# KiCad board 10087.kicad_pcb
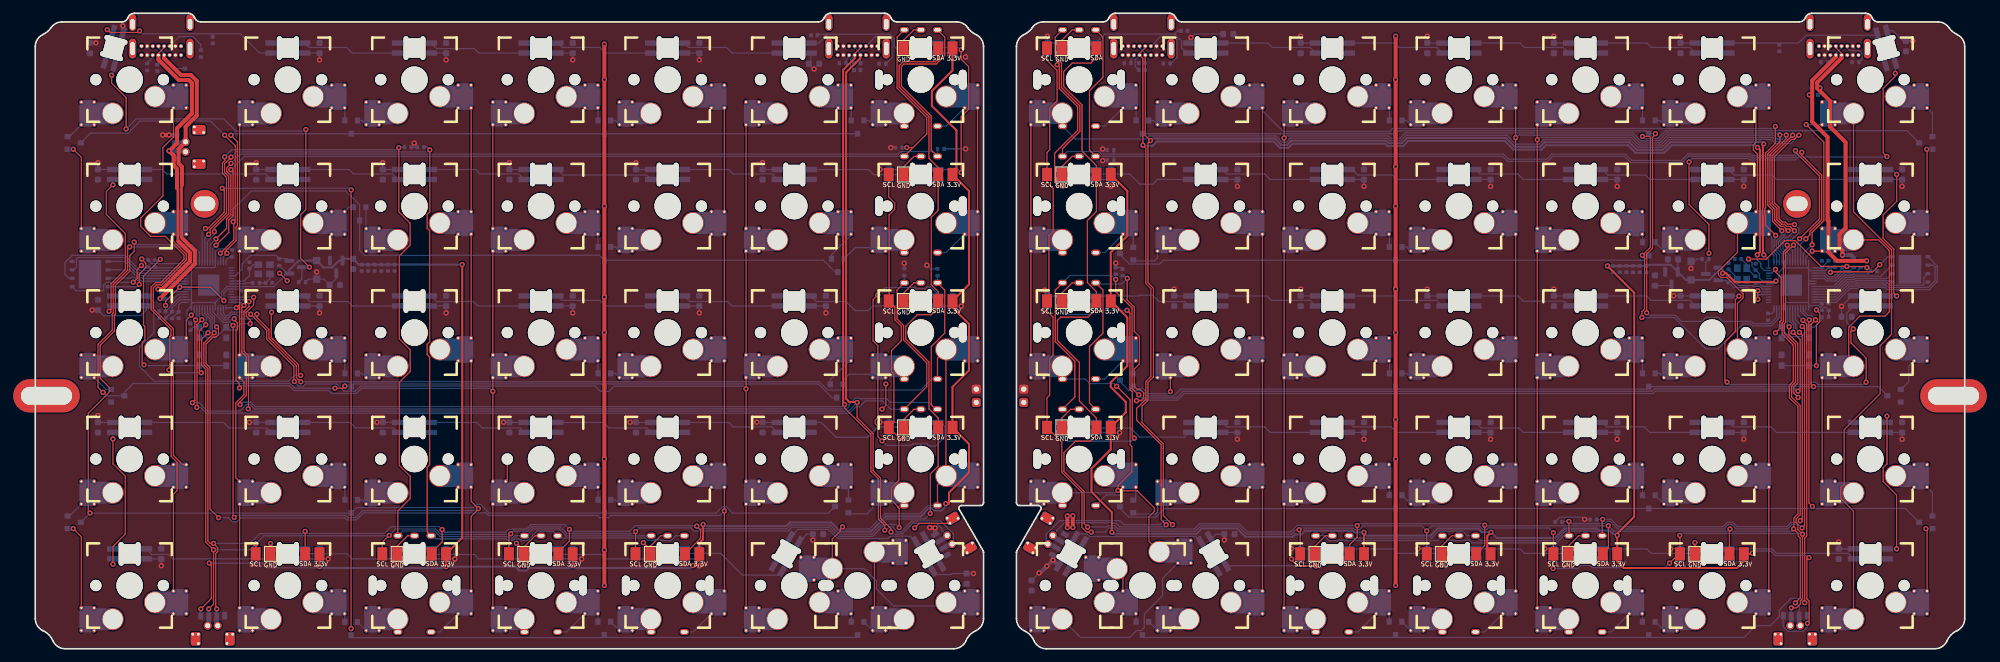
[diagram p0: board, top side]
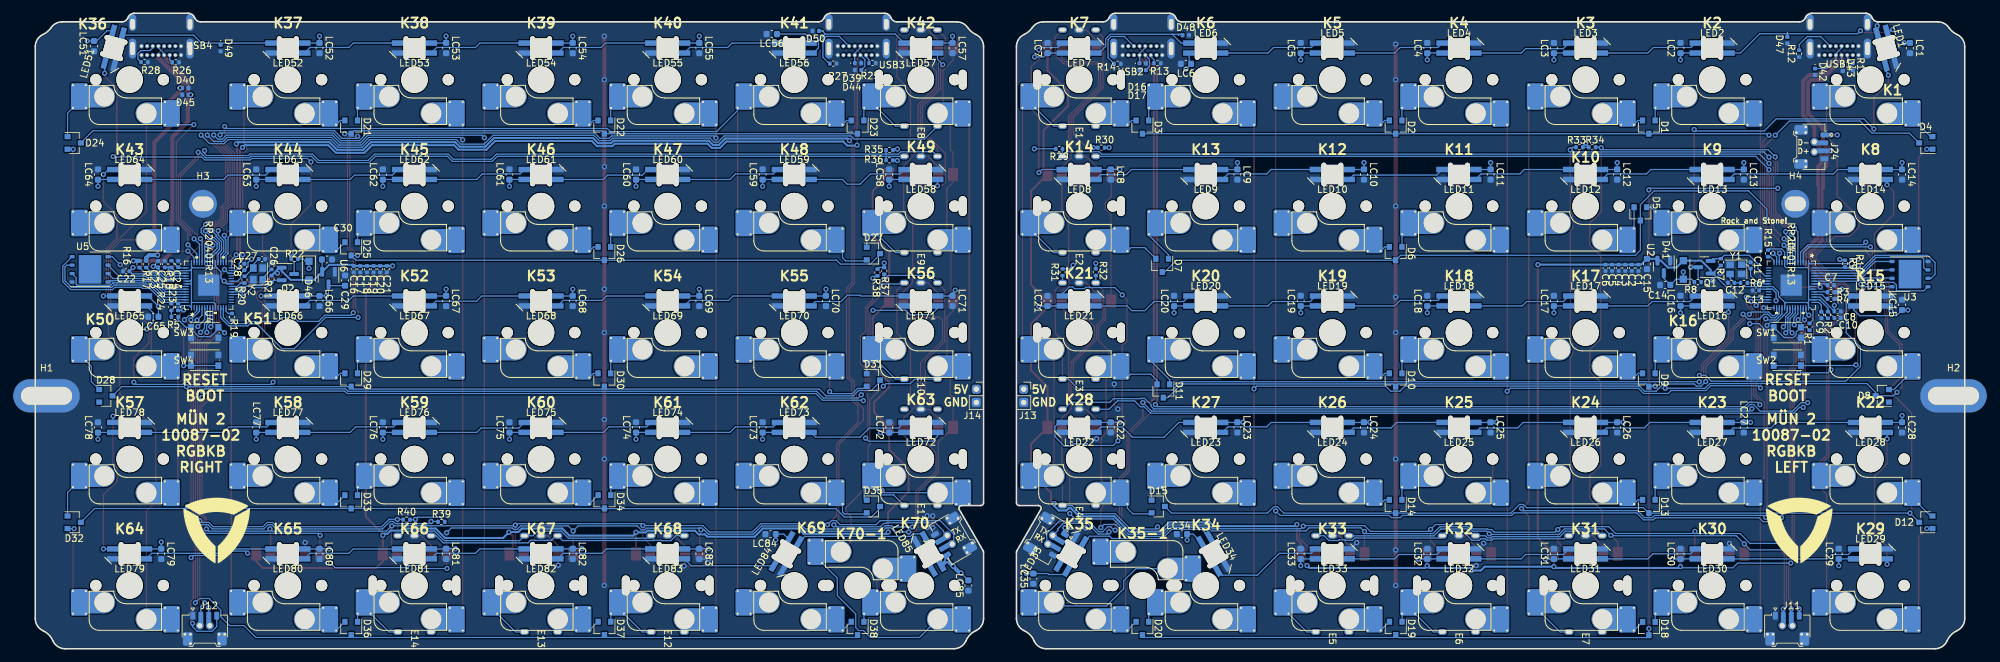
[diagram p1: board, bottom side, seen from below]

Outline 290.31 x 95.72 mm; copper layers: Top, Bottom. Coordinates in mm from the lower left corner of the outline.
Outline path: 0,90.71 0,4.54 arc(0.31,3.46) 1.16,2.72 arc(2.04,2.1) 2.65,1.2 arc(3.39,0.33) 4.48,0 138.19,0 arc(139.29,0.33) 140.03,1.2 arc(140.63,2.1) 141.52,2.72 arc(142.36,3.46) 142.68,4.54 142.68,14.54 arc(142.66,14.64) 142.62,14.74 139.02,20.97 arc(139.02,21.37) 139.37,21.57 142.28,21.57 arc(142.56,21.69) 142.68,21.97 142.68,90.71 arc(142.36,91.79) 141.52,92.53 arc(140.84,92.96) 140.3,93.55 arc(139.58,94.19) 138.65,94.42 129.66,94.42 arc(129.09,94.6) 128.72,95.07 arc(128.36,95.55) 127.79,95.72 119.66,95.72 arc(119.09,95.55) 118.72,95.07 arc(118.36,94.6) 117.79,94.42 24.89,94.42 arc(24.32,94.6) 23.95,95.07 arc(23.58,95.55) 23.01,95.72 14.89,95.72 arc(14.32,95.55) 13.95,95.07 arc(13.58,94.6) 13.01,94.42 4.03,94.42 arc(3.09,94.19) 2.38,93.55 arc(1.84,92.96) 1.16,92.53 arc(0.31,91.79) 0,90.71 ; 147.64,90.71 147.64,21.97 arc(147.75,21.69) 148.04,21.57 150.94,21.57 arc(151.29,21.38) 151.29,20.97 147.69,14.74 arc(147.65,14.64) 147.64,14.54 147.64,4.54 arc(147.95,3.46) 148.8,2.72 arc(149.68,2.1) 150.29,1.2 arc(151.02,0.33) 152.12,0 285.83,0 arc(286.93,0.33) 287.66,1.2 arc(288.27,2.1) 289.15,2.72 arc(290,3.46) 290.31,4.54 290.31,90.71 arc(290,91.79) 289.15,92.53 arc(288.48,92.96) 287.94,93.55 arc(287.22,94.19) 286.29,94.42 277.3,94.42 arc(276.73,94.6) 276.36,95.07 arc(276,95.55) 275.43,95.72 267.3,95.72 arc(266.73,95.55) 266.36,95.07 arc(266,94.6) 265.43,94.42 172.52,94.42 arc(171.95,94.6) 171.59,95.07 arc(171.22,95.55) 170.65,95.72 162.52,95.72 arc(161.95,95.55) 161.59,95.07 arc(161.22,94.6) 160.65,94.42 151.66,94.42 arc(150.73,94.19) 150.01,93.55 arc(149.47,92.96) 148.8,92.53 arc(147.95,91.79) 147.64,90.71
Stack: Top 0.035mm / dielectric 1.51mm FR4 er 4.5 / Bottom 0.035mm

## Placement (name value [footprint] x y rotation side)
C1  100nF  [C_0402_1005Metric]  49.09 57.38 270 bottom
C2  100nF  [C_0402_1005Metric]  50.08 57.38 270 bottom
C3  100nF  [C_0402_1005Metric]  51.08 57.38 270 bottom
C4  100nF  [C_0402_1005Metric]  52.06 57.38 270 bottom
C5  100nF  [C_0402_1005Metric]  53.06 57.38 270 bottom
C6  100nF  [C_0402_1005Metric]  54.05 57.38 270 bottom
C7  2.2uF  [C_0402_1005Metric]  20.14 54.77 180 bottom
C8  2.2uF  [C_0402_1005Metric]  19.12 50.82 180 bottom
C9  2.2uF  [C_0402_1005Metric]  21.58 50.27 270 bottom
C10  2.2uF  [C_0402_1005Metric]  19.12 49.82 180 bottom
C11  15pF  [C_0402_1005Metric]  32.22 57.74 90 bottom
C12  15pF  [C_0402_1005Metric]  35.14 55.12 180 bottom
C13  2.2uF  [C_0402_1005Metric]  31.43 53.97 0 bottom
C14  100nF  [C_0603_1608Metric]  45.06 54.79 180 bottom
C15  100nF  [C_0603_1608Metric]  47.81 57.96 270 bottom
C16  100nF  [C_0402_1005Metric]  242.42 57.18 270 bottom
C17  100nF  [C_0402_1005Metric]  241.42 57.18 270 bottom
C18  100nF  [C_0402_1005Metric]  240.42 57.18 270 bottom
C19  100nF  [C_0402_1005Metric]  239.42 57.18 270 bottom
C20  100nF  [C_0402_1005Metric]  238.42 57.18 270 bottom
C21  100nF  [C_0402_1005Metric]  237.42 57.18 270 bottom
C22  2.2uF  [C_0402_1005Metric]  276.63 56.87 0 bottom
C23  2.2uF  [C_0402_1005Metric]  271.85 57.93 90 bottom
C24  2.2uF  [C_0402_1005Metric]  268.81 57.94 90 bottom
C25  2.2uF  [C_0402_1005Metric]  270.82 57.93 90 bottom
C26  15pF  [C_0402_1005Metric]  254.78 57.62 90 bottom
C27  15pF  [C_0402_1005Metric]  256.21 58.69 0 bottom
C28  2.2uF  [C_0402_1005Metric]  258.87 57.51 90 bottom
C29  100nF  [C_0603_1608Metric]  243.71 55.46 270 bottom
C30  100nF  [C_0603_1608Metric]  246.43 58.63 180 bottom
D1  LBAV170LT1G  [SOT-23-minimal]  47.53 78.58 270 bottom
D2  LBAV170LT1G  [SOT-23-minimal]  85.63 78.58 270 bottom
D3  LBAV170LT1G  [SOT-23-minimal]  123.73 78.58 270 bottom
D4  LBAV170LT1G  [SOT-23-minimal]  5.85 76.2 0 bottom
D5  LBAV170LT1G  [SOT-23-minimal]  48.8 65.51 270 bottom
D6  LBAV170LT1G  [SOT-23-minimal]  85.63 59.53 270 bottom
D7  LBAV170LT1G  [SOT-23-minimal]  120.75 57.75 270 bottom
D8  LBAV170LT1G  [SOT-23-minimal]  12.4 38.1 0 bottom
D9  LBAV170LT1G  [SOT-23-minimal]  47.53 40.48 270 bottom
D10  LBAV170LT1G  [SOT-23-minimal]  85.63 40.48 270 bottom
D11  LBAV170LT1G  [SOT-23-minimal]  120.58 38.82 270 bottom
D12  LBAV170LT1G  [SOT-23-minimal]  5.85 19.05 0 bottom
D13  LBAV170LT1G  [SOT-23-minimal]  47.53 21.43 270 bottom
D14  LBAV170LT1G  [SOT-23-minimal]  85.63 21.43 270 bottom
D15  LBAV170LT1G  [SOT-23-minimal]  121.34 21.43 180 bottom
D16  GG0402052R542P  [D_0402_1005Metric]  123.69 88.19 180 bottom
D17  GG0402052R542P  [D_0402_1005Metric]  123.69 87.16 0 bottom
D18  LBAV170LT1G  [SOT-23-minimal]  47.52 3.03 270 bottom
D19  LBAV170LT1G  [SOT-23-minimal]  85.61 3.06 270 bottom
D20  LBAV170LT1G  [SOT-23-minimal]  123.72 3.05 270 bottom
D21  LBAV170LT1G  [SOT-23-minimal]  242.79 78.58 270 bottom
D22  LBAV170LT1G  [SOT-23-minimal]  204.69 78.58 270 bottom
D23  LBAV170LT1G  [SOT-23-minimal]  166.59 78.58 270 bottom
D24  LBAV170LT1G  [SOT-23-minimal]  284.46 76.2 180 bottom
D25  LBAV170LT1G  [SOT-23-minimal]  242.79 60.23 270 bottom
D26  LBAV170LT1G  [SOT-23-minimal]  204.69 59.53 270 bottom
D27  LBAV170LT1G  [SOT-23-minimal]  164.21 59.53 180 bottom
D28  LBAV170LT1G  [SOT-23-minimal]  279.7 38.1 180 bottom
D29  LBAV170LT1G  [SOT-23-minimal]  242.79 40.48 270 bottom
D30  LBAV170LT1G  [SOT-23-minimal]  204.69 40.48 270 bottom
D31  LBAV170LT1G  [SOT-23-minimal]  164.21 40.48 180 bottom
D32  LBAV170LT1G  [SOT-23-minimal]  284.46 19.05 180 bottom
D33  LBAV170LT1G  [SOT-23-minimal]  242.79 22.12 270 bottom
D34  LBAV170LT1G  [SOT-23-minimal]  204.68 22.13 270 bottom
D35  LBAV170LT1G  [SOT-23-minimal]  164.21 21.43 180 bottom
D36  LBAV170LT1G  [SOT-23-minimal]  242.78 3.05 270 bottom
D37  LBAV170LT1G  [SOT-23-minimal]  204.68 3.06 270 bottom
D38  LBAV170LT1G  [SOT-23-minimal]  166.59 3.05 270 bottom
D39  GG0402052R542P  [D_0402_1005Metric]  166.52 88.21 180 bottom
D40  GG0402052R542P  [D_0402_1005Metric]  267.74 84.47 180 bottom
D41  1N4007  [D_SOD-123F]  42.33 57.06 90 bottom
D42  GG0402052R542P  [D_0402_1005Metric]  22.52 86.92 270 bottom
D43  GG0402052R542P  [D_0402_1005Metric]  18.35 87.51 270 bottom
D44  GG0402052R542P  [D_0402_1005Metric]  166.52 87.18 0 bottom
D45  GG0402052R542P  [D_0402_1005Metric]  267.73 83.44 0 bottom
D46  1N4007  [D_SOD-123F]  249.14 56.96 270 bottom
D47  GG0402052R542P  [D_0402_1005Metric]  26.69 91.68 270 bottom
D48  GG0402052R542P  [D_0402_1005Metric]  117.2 92.42 180 bottom
D49  GG0402052R542P  [D_0402_1005Metric]  262.43 90.49 270 bottom
D50  GG0402052R542P  [D_0402_1005Metric]  172.88 93.07 0 bottom
E1  encoder  [encoder_minimal]  133.25 85.72 90 bottom
E2  encoder  [encoder_minimal]  133.25 66.67 90 bottom
E3  encoder  [encoder_minimal]  133.25 47.62 90 bottom
E4  encoder  [encoder_minimal]  133.25 28.57 90 bottom
E5  encoder  [encoder_minimal]  95.15 9.52 90 bottom
E6  encoder  [encoder_minimal]  76.1 9.52 90 bottom
E7  encoder  [encoder_minimal]  57.05 9.52 90 bottom
E8  encoder  [encoder_minimal]  157.06 85.72 90 bottom
E9  encoder  [encoder_minimal]  157.06 66.67 90 bottom
E10  encoder  [encoder_minimal]  157.06 47.62 90 bottom
E11  encoder  [encoder_minimal]  157.06 28.57 90 bottom
E12  encoder  [encoder_minimal]  195.16 9.52 90 bottom
E13  encoder  [encoder_minimal]  214.21 9.52 90 bottom
E14  encoder  [encoder_minimal]  233.26 9.52 90 bottom
G***  LOGO  [RGBKB_Logo]  24.9 17.86 180 bottom
G***#2  LOGO  [RGBKB_Logo]  263.03 17.86 180 bottom
H1  MountingHole_Pad  [MountingHole_3.2mm_M3_Pad]  288.63 38.1 180 bottom
H2  MountingHole_Pad  [MountingHole_3.2mm_M3_Pad]  1.69 38.1 180 bottom
H3  MountingHole_Pad  [MountingHole_3.2mm_M3_Pad#2]  265.09 67.02 180 bottom
H4  MountingHole_Pad  [MountingHole_3.2mm_M3_Pad#2]  25.48 67.02 180 bottom
J1  MKi2c 1u  [MKI2C-1U#3]  133.25 85.72 0 top
J2  MKi2c 1u  [MKI2C-1U]  133.25 66.67 0 top
J3  MKi2c 1u  [MKI2C-1U]  133.25 47.62 0 top
J4  MKi2c 1u  [MKI2C-1U]  133.25 28.57 0 top
J5  MKi2c 1u  [MKI2C-1U]  95.15 9.52 0 top
J6  MKi2c 1u  [MKI2C-1U]  76.1 9.52 0 top
J7  MKi2c 1u  [MKI2C-1U]  57.05 9.52 0 top
J8  MKi2c 1u  [MKI2C-1U]  38 9.52 0 top
J9  78171-0004  [Molex_Pico-EZmate_781710004]  138.01 16.67 300 bottom
J10  78171-0004  [Molex_Pico-EZmate_781710004]  152.3 16.67 60 bottom
J11  78171-0004  [Molex_Pico-EZmate_781710004]  26.69 2.98 180 bottom
J12  78171-0004  [Molex_Pico-EZmate_781710004]  264.81 2.98 180 bottom
J13  Conn_01x02_Female  [PinSocket_1x02_P2.00mm_Vertical]  141.58 39.1 180 bottom
J14  Conn_01x02_Female  [PinSocket_1x02_P2.00mm_Vertical]  148.73 39.1 180 bottom
J16  MKi2c 1u  [MKI2C-1U#2]  157.06 85.72 0 top
J17  MKi2c 1u  [MKI2C-1U]  157.06 66.67 0 top
J18  MKi2c 1u  [MKI2C-1U]  157.06 47.62 0 top
J19  MKi2c 1u  [MKI2C-1U]  157.06 28.57 0 top
J20  MKi2c 1u  [MKI2C-1U]  195.16 9.52 0 top
J21  MKi2c 1u  [MKI2C-1U]  214.21 9.52 0 top
J22  MKi2c 1u  [MKI2C-1U]  233.26 9.52 0 top
J23  MKi2c 1u  [MKI2C-1U]  252.31 9.52 0 top
J24  78171-0004  [Molex_Pico-EZmate_781710004]  23.12 75.6 270 bottom
K1  KEYSW  [MX-Kailh-Socket]  14.19 85.72 0 bottom
K2  KEYSW  [MX-Kailh-Socket]  38 85.72 0 bottom
K3  KEYSW  [MX-Kailh-Socket]  57.05 85.72 0 bottom
K4  KEYSW  [MX-Kailh-Socket]  76.1 85.72 0 bottom
K5  KEYSW  [MX-Kailh-Socket]  95.15 85.72 0 bottom
K6  KEYSW  [MX-Kailh-Socket]  114.2 85.72 0 bottom
K7  KEYSW  [MX-Kailh-Socket]  133.25 85.72 0 bottom
K8  KEYSW  [MX-Kailh-Socket]  14.19 66.67 0 bottom
K9  KEYSW  [MX-Kailh-Socket]  38 66.67 0 bottom
K10  KEYSW  [MX-Kailh-Socket]  57.05 66.67 0 bottom
K11  KEYSW  [MX-Kailh-Socket]  76.1 66.67 0 bottom
K12  KEYSW  [MX-Kailh-Socket]  95.15 66.67 0 bottom
K13  KEYSW  [MX-Kailh-Socket]  114.2 66.67 0 bottom
K14  KEYSW  [MX-Kailh-Socket]  133.25 66.67 0 bottom
K15  KEYSW  [MX-Kailh-Socket]  14.19 47.62 0 bottom
K16  KEYSW  [MX-Kailh-Socket]  38 47.62 0 bottom
K17  KEYSW  [MX-Kailh-Socket]  57.05 47.62 0 bottom
K18  KEYSW  [MX-Kailh-Socket]  76.1 47.62 0 bottom
K19  KEYSW  [MX-Kailh-Socket]  95.15 47.62 0 bottom
K20  KEYSW  [MX-Kailh-Socket]  114.2 47.62 0 bottom
K21  KEYSW  [MX-Kailh-Socket]  133.25 47.62 0 bottom
K22  KEYSW  [MX-Kailh-Socket]  14.19 28.57 0 bottom
K23  KEYSW  [MX-Kailh-Socket]  38 28.57 0 bottom
K24  KEYSW  [MX-Kailh-Socket]  57.05 28.57 0 bottom
K25  KEYSW  [MX-Kailh-Socket]  76.1 28.57 0 bottom
K26  KEYSW  [MX-Kailh-Socket]  95.15 28.57 0 bottom
K27  KEYSW  [MX-Kailh-Socket]  114.2 28.57 0 bottom
K28  KEYSW  [MX-Kailh-Socket]  133.25 28.57 0 bottom
K29  KEYSW  [MX-Kailh-Socket]  14.19 9.52 0 bottom
K30  KEYSW  [MX-Kailh-Socket]  38 9.52 0 bottom
K31  KEYSW  [MX-Kailh-Socket]  57.05 9.52 0 bottom
K32  KEYSW  [MX-Kailh-Socket]  76.1 9.52 0 bottom
K33  KEYSW  [MX-Kailh-Socket]  95.15 9.52 0 bottom
K34  KEYSW  [MX-Kailh-Socket]  114.2 9.52 0 bottom
K35  KEYSW  [MX-Kailh-Socket]  133.25 9.52 0 bottom
K35-1  KEYSW  [MX-Kailh-Socket]  123.73 9.52 180 bottom
K36  KEYSW  [MX-Kailh-Socket]  276.13 85.72 0 bottom
K37  KEYSW  [MX-Kailh-Socket]  252.31 85.72 0 bottom
K38  KEYSW  [MX-Kailh-Socket]  233.26 85.72 0 bottom
K39  KEYSW  [MX-Kailh-Socket]  214.21 85.72 0 bottom
K40  KEYSW  [MX-Kailh-Socket]  195.16 85.72 0 bottom
K41  KEYSW  [MX-Kailh-Socket]  176.11 85.72 0 bottom
K42  KEYSW  [MX-Kailh-Socket]  157.06 85.72 0 bottom
K43  KEYSW  [MX-Kailh-Socket]  276.13 66.67 0 bottom
K44  KEYSW  [MX-Kailh-Socket]  252.31 66.67 0 bottom
K45  KEYSW  [MX-Kailh-Socket]  233.26 66.67 0 bottom
K46  KEYSW  [MX-Kailh-Socket]  214.21 66.67 0 bottom
K47  KEYSW  [MX-Kailh-Socket]  195.16 66.67 0 bottom
K48  KEYSW  [MX-Kailh-Socket]  176.11 66.67 0 bottom
K49  KEYSW  [MX-Kailh-Socket]  157.06 66.67 0 bottom
K50  KEYSW  [MX-Kailh-Socket]  276.13 47.62 0 bottom
K51  KEYSW  [MX-Kailh-Socket]  252.31 47.62 0 bottom
K52  KEYSW  [MX-Kailh-Socket]  233.26 47.62 0 bottom
K53  KEYSW  [MX-Kailh-Socket]  214.21 47.62 0 bottom
K54  KEYSW  [MX-Kailh-Socket]  195.16 47.62 0 bottom
K55  KEYSW  [MX-Kailh-Socket]  176.11 47.62 0 bottom
K56  KEYSW  [MX-Kailh-Socket]  157.06 47.62 0 bottom
K57  KEYSW  [MX-Kailh-Socket]  276.13 28.57 0 bottom
K58  KEYSW  [MX-Kailh-Socket]  252.31 28.57 0 bottom
K59  KEYSW  [MX-Kailh-Socket]  233.26 28.57 0 bottom
K60  KEYSW  [MX-Kailh-Socket]  214.21 28.57 0 bottom
K61  KEYSW  [MX-Kailh-Socket]  195.16 28.57 0 bottom
K62  KEYSW  [MX-Kailh-Socket]  176.11 28.57 0 bottom
K63  KEYSW  [MX-Kailh-Socket]  157.06 28.57 0 bottom
K64  KEYSW  [MX-Kailh-Socket]  276.13 9.52 0 bottom
K65  KEYSW  [MX-Kailh-Socket]  252.31 9.52 0 bottom
K66  KEYSW  [MX-Kailh-Socket]  233.26 9.52 0 bottom
K67  KEYSW  [MX-Kailh-Socket]  214.21 9.52 0 bottom
K68  KEYSW  [MX-Kailh-Socket]  195.16 9.52 0 bottom
K69  KEYSW  [MX-Kailh-Socket]  176.11 9.52 0 bottom
K70  KEYSW  [MX-Kailh-Socket]  157.06 9.52 0 bottom
K70-1  KEYSW  [MX-Kailh-Socket]  166.59 9.52 180 bottom
LC1  100nF  [C_0603_1608Metric]  8.23 90.49 270 bottom
LC2  100nF  [C_0603_1608Metric]  42.76 90.49 90 bottom
LC3  100nF  [C_0603_1608Metric]  61.81 90.49 90 bottom
LC4  100nF  [C_0603_1608Metric]  80.86 90.49 90 bottom
LC5  100nF  [C_0603_1608Metric]  99.91 90.49 90 bottom
LC6  100nF  [C_0603_1608Metric]  117.18 88.11 0 bottom
LC7  100nF  [C_0603_1608Metric]  138.01 90.49 90 bottom
LC8  100nF  [C_0603_1608Metric]  128.49 71.44 270 bottom
LC9  100nF  [C_0603_1608Metric]  109.44 71.44 270 bottom
LC10  100nF  [C_0603_1608Metric]  90.39 71.44 270 bottom
LC11  100nF  [C_0603_1608Metric]  71.34 71.44 270 bottom
LC12  100nF  [C_0603_1608Metric]  52.29 71.44 270 bottom
LC13  100nF  [C_0603_1608Metric]  33.24 71.44 270 bottom
LC14  100nF  [C_0603_1608Metric]  9.43 71.44 270 bottom
LC15  100nF  [C_0603_1608Metric]  9.43 51.79 90 bottom
LC16  100nF  [C_0603_1608Metric]  42.76 52.39 90 bottom
LC17  100nF  [C_0603_1608Metric]  61.81 52.39 90 bottom
LC18  100nF  [C_0603_1608Metric]  80.86 52.39 90 bottom
LC19  100nF  [C_0603_1608Metric]  99.91 52.39 90 bottom
LC20  100nF  [C_0603_1608Metric]  118.96 52.39 90 bottom
LC21  100nF  [C_0603_1608Metric]  138.01 52.39 90 bottom
LC22  100nF  [C_0603_1608Metric]  128.49 33.34 270 bottom
LC23  100nF  [C_0603_1608Metric]  109.44 33.34 270 bottom
LC24  100nF  [C_0603_1608Metric]  90.39 33.34 270 bottom
LC25  100nF  [C_0603_1608Metric]  71.34 33.34 270 bottom
LC26  100nF  [C_0603_1608Metric]  52.29 33.34 270 bottom
LC27  100nF  [C_0603_1608Metric]  33.24 33.34 270 bottom
LC28  100nF  [C_0603_1608Metric]  9.43 33.34 270 bottom
LC29  100nF  [C_0603_1608Metric]  18.95 14.29 90 bottom
LC30  100nF  [C_0603_1608Metric]  42.76 14.29 90 bottom
LC31  100nF  [C_0603_1608Metric]  61.81 14.29 90 bottom
LC32  100nF  [C_0603_1608Metric]  80.86 14.29 90 bottom
LC33  100nF  [C_0603_1608Metric]  99.91 14.29 90 bottom
LC34  100nF  [C_0603_1608Metric]  117.77 17.26 0 bottom
LC35  100nF  [C_0603_1608Metric]  140.14 10.55 270 bottom
LC51  100nF  [C_0603_1608Metric]  281.48 90.77 270 bottom
LC52  100nF  [C_0603_1608Metric]  247.55 90.49 270 bottom
LC53  100nF  [C_0603_1608Metric]  228.5 90.49 270 bottom
LC54  100nF  [C_0603_1608Metric]  209.45 90.49 270 bottom
LC55  100nF  [C_0603_1608Metric]  190.4 90.49 270 bottom
LC56  100nF  [C_0603_1608Metric]  179.5 92.6 0 bottom
LC57  100nF  [C_0603_1608Metric]  152.3 90.49 270 bottom
LC58  100nF  [C_0603_1608Metric]  161.83 71.44 90 bottom
LC59  100nF  [C_0603_1608Metric]  180.88 71.44 90 bottom
LC60  100nF  [C_0603_1608Metric]  199.93 71.44 90 bottom
LC61  100nF  [C_0603_1608Metric]  218.98 71.44 90 bottom
LC62  100nF  [C_0603_1608Metric]  238.03 71.44 90 bottom
LC63  100nF  [C_0603_1608Metric]  257.08 71.44 90 bottom
LC64  100nF  [C_0603_1608Metric]  280.89 71.44 90 bottom
LC65  100nF  [C_0603_1608Metric]  272.55 50.01 0 bottom
LC66  100nF  [C_0603_1608Metric]  247.55 52.39 270 bottom
LC67  100nF  [C_0603_1608Metric]  228.5 52.39 270 bottom
LC68  100nF  [C_0603_1608Metric]  209.45 52.39 270 bottom
LC69  100nF  [C_0603_1608Metric]  190.4 52.39 270 bottom
LC70  100nF  [C_0603_1608Metric]  171.35 52.39 270 bottom
LC71  100nF  [C_0603_1608Metric]  152.3 52.39 270 bottom
LC72  100nF  [C_0603_1608Metric]  161.83 33.34 90 bottom
LC73  100nF  [C_0603_1608Metric]  180.88 33.34 90 bottom
LC74  100nF  [C_0603_1608Metric]  199.93 33.34 90 bottom
LC75  100nF  [C_0603_1608Metric]  218.98 33.34 90 bottom
LC76  100nF  [C_0603_1608Metric]  238.03 33.34 90 bottom
LC77  100nF  [C_0603_1608Metric]  257.08 33.34 90 bottom
LC78  100nF  [C_0603_1608Metric]  280.89 33.34 90 bottom
LC79  100nF  [C_0603_1608Metric]  271.36 14.29 270 bottom
LC80  100nF  [C_0603_1608Metric]  247.55 14.29 270 bottom
LC81  100nF  [C_0603_1608Metric]  228.5 14.29 270 bottom
LC82  100nF  [C_0603_1608Metric]  209.45 14.29 270 bottom
LC83  100nF  [C_0603_1608Metric]  190.4 14.29 270 bottom
LC84  100nF  [C_0603_1608Metric]  179.68 17.26 0 bottom
LC85  100nF  [C_0603_1608Metric]  149.92 9.52 270 bottom
LED1  WS2812B  [WS2812-3528-Reversed]  11.81 90.49 75 bottom
LED2  WS2812B  [WS2812-3528-Reversed]  38 90.49 0 bottom
LED3  WS2812B  [WS2812-3528-Reversed]  57.05 90.49 0 bottom
LED4  WS2812B  [WS2812-3528-Reversed]  76.1 90.49 0 bottom
LED5  WS2812B  [WS2812-3528-Reversed]  95.15 90.49 0 bottom
LED6  WS2812B  [WS2812-3528-Reversed]  114.2 90.49 0 bottom
LED7  WS2812B  [WS2812-3528-Reversed]  133.25 90.49 0 bottom
LED8  WS2812B  [WS2812-3528-Reversed]  133.25 71.44 180 bottom
LED9  WS2812B  [WS2812-3528-Reversed]  114.2 71.44 180 bottom
LED10  WS2812B  [WS2812-3528-Reversed]  95.15 71.44 180 bottom
LED11  WS2812B  [WS2812-3528-Reversed]  76.1 71.44 180 bottom
LED12  WS2812B  [WS2812-3528-Reversed]  57.05 71.44 180 bottom
LED13  WS2812B  [WS2812-3528-Reversed]  38 71.44 180 bottom
LED14  WS2812B  [WS2812-3528-Reversed]  14.19 71.44 180 bottom
LED15  WS2812B  [WS2812-3528-Reversed]  14.19 52.39 0 bottom
LED16  WS2812B  [WS2812-3528-Reversed]  38 52.39 0 bottom
LED17  WS2812B  [WS2812-3528-Reversed]  57.05 52.39 0 bottom
LED18  WS2812B  [WS2812-3528-Reversed]  76.1 52.39 0 bottom
LED19  WS2812B  [WS2812-3528-Reversed]  95.15 52.39 0 bottom
LED20  WS2812B  [WS2812-3528-Reversed]  114.2 52.39 0 bottom
LED21  WS2812B  [WS2812-3528-Reversed]  133.25 52.39 0 bottom
LED22  WS2812B  [WS2812-3528-Reversed]  133.25 33.34 180 bottom
LED23  WS2812B  [WS2812-3528-Reversed]  114.2 33.34 180 bottom
LED24  WS2812B  [WS2812-3528-Reversed]  95.15 33.34 180 bottom
LED25  WS2812B  [WS2812-3528-Reversed]  76.1 33.34 180 bottom
LED26  WS2812B  [WS2812-3528-Reversed]  57.05 33.34 180 bottom
LED27  WS2812B  [WS2812-3528-Reversed]  38 33.34 180 bottom
LED28  WS2812B  [WS2812-3528-Reversed]  14.19 33.34 180 bottom
LED29  WS2812B  [WS2812-3528-Reversed]  14.19 14.29 0 bottom
LED30  WS2812B  [WS2812-3528-Reversed]  38 14.29 0 bottom
LED31  WS2812B  [WS2812-3528-Reversed]  57.05 14.29 0 bottom
LED32  WS2812B  [WS2812-3528-Reversed]  76.1 14.29 0 bottom
LED33  WS2812B  [WS2812-3528-Reversed]  95.15 14.29 0 bottom
LED34  WS2812B  [WS2812-3528-Reversed]  113.01 14.29 60 bottom
LED35  WS2812B  [WS2812-3528-Reversed]  134.44 14.29 300 bottom
LED51  WS2812B  [WS2812-3528-Reversed]  278.51 90.49 105 bottom
LED52  WS2812B  [WS2812-3528-Reversed]  252.31 90.49 180 bottom
LED53  WS2812B  [WS2812-3528-Reversed]  233.26 90.49 180 bottom
LED54  WS2812B  [WS2812-3528-Reversed]  214.21 90.49 180 bottom
LED55  WS2812B  [WS2812-3528-Reversed]  195.16 90.49 180 bottom
LED56  WS2812B  [WS2812-3528-Reversed]  176.11 90.49 180 bottom
LED57  WS2812B  [WS2812-3528-Reversed]  157.06 90.49 180 bottom
LED58  WS2812B  [WS2812-3528-Reversed]  157.06 71.44 0 bottom
LED59  WS2812B  [WS2812-3528-Reversed]  176.11 71.44 0 bottom
LED60  WS2812B  [WS2812-3528-Reversed]  195.16 71.44 0 bottom
LED61  WS2812B  [WS2812-3528-Reversed]  214.21 71.44 0 bottom
LED62  WS2812B  [WS2812-3528-Reversed]  233.26 71.44 0 bottom
LED63  WS2812B  [WS2812-3528-Reversed]  252.31 71.44 0 bottom
LED64  WS2812B  [WS2812-3528-Reversed]  276.12 71.44 0 bottom
LED65  WS2812B  [WS2812-3528-Reversed]  276.12 52.39 180 bottom
LED66  WS2812B  [WS2812-3528-Reversed]  252.31 52.39 180 bottom
LED67  WS2812B  [WS2812-3528-Reversed]  233.26 52.39 180 bottom
LED68  WS2812B  [WS2812-3528-Reversed]  214.21 52.39 180 bottom
LED69  WS2812B  [WS2812-3528-Reversed]  195.16 52.39 180 bottom
LED70  WS2812B  [WS2812-3528-Reversed]  176.11 52.39 180 bottom
LED71  WS2812B  [WS2812-3528-Reversed]  157.06 52.39 180 bottom
LED72  WS2812B  [WS2812-3528-Reversed]  157.06 33.34 0 bottom
LED73  WS2812B  [WS2812-3528-Reversed]  176.11 33.34 0 bottom
LED74  WS2812B  [WS2812-3528-Reversed]  195.16 33.34 0 bottom
LED75  WS2812B  [WS2812-3528-Reversed]  214.21 33.34 0 bottom
LED76  WS2812B  [WS2812-3528-Reversed]  233.26 33.34 0 bottom
LED77  WS2812B  [WS2812-3528-Reversed]  252.31 33.34 0 bottom
LED78  WS2812B  [WS2812-3528-Reversed]  276.12 33.34 0 bottom
LED79  WS2812B  [WS2812-3528-Reversed]  276.12 14.29 180 bottom
LED80  WS2812B  [WS2812-3528-Reversed]  252.31 14.29 180 bottom
LED81  WS2812B  [WS2812-3528-Reversed]  233.26 14.29 180 bottom
LED82  WS2812B  [WS2812-3528-Reversed]  214.21 14.29 180 bottom
LED83  WS2812B  [WS2812-3528-Reversed]  195.16 14.29 180 bottom
LED84  WS2812B  [WS2812-3528-Reversed]  177.3 14.29 120 bottom
LED85  WS2812B  [WS2812-3528-Reversed]  155.87 14.29 240 bottom
Q1  BSS138  [SOT-23]  39.16 57.47 0 bottom
Q2  BSS138  [SOT-23]  252.31 56.45 180 bottom
R1  10kR  [R_0402_1005Metric]  23.34 48.49 270 bottom
R2  200R  [R_0402_1005Metric]  20.58 50.27 270 bottom
R3  27R  [R_0402_1005Metric]  20.12 53.72 0 bottom
R4  27R  [R_0402_1005Metric]  20.12 52.7 0 bottom
R5  10kR  [R_0402_1005Metric]  269.32 49.99 180 bottom
R6  1kR  [R_0402_1005Metric]  33.22 55.11 0 bottom
R7  7.15kR  [R_0402_1005Metric]  36.7 58.24 270 bottom
R8  7.15kR  [R_0402_1005Metric]  40.16 55.22 0 bottom
R9  1kR  [R_0402_1005Metric]  18.01 58.01 270 bottom
R10  10kR  [R_0402_1005Metric]  17 58.01 270 bottom
R11  5.1kR  [R_0402_1005Metric]  16.84 87.63 270 bottom
R12  5.1kR  [R_0402_1005Metric]  24.91 89.64 270 bottom
R13  5.1kR  [R_0402_1005Metric]  121.47 88.19 180 bottom
R14  5.1kR  [R_0402_1005Metric]  127.47 88.11 180 bottom
R15  5.1kR  [R_0402_1005Metric]  29.6 59.55 270 bottom
R16  27R  [R_0402_1005Metric]  274.65 57.93 270 bottom
R17  27R  [R_0402_1005Metric]  273.62 57.93 270 bottom
R18  200R  [R_0402_1005Metric]  269.82 57.94 90 bottom
R19  5.1kR  [R_0402_1005Metric]  260.73 49.99 90 bottom
R20  1kR  [R_0402_1005Metric]  258.84 55.59 90 bottom
R21  7.15kR  [R_0402_1005Metric]  254.77 55.69 90 bottom
R22  7.15kR  [R_0402_1005Metric]  251.31 58.69 180 bottom
R23  1kR  [R_0402_1005Metric]  268.82 51.47 90 bottom
R24  10kR  [R_0402_1005Metric]  269.86 51.47 90 bottom
R25  5.1kR  [R_0402_1005Metric]  164.36 88.21 180 bottom
R26  5.1kR  [R_0402_1005Metric]  269.19 88.34 180 bottom
R27  5.1kR  [R_0402_1005Metric]  170.25 88.14 180 bottom
R28  5.1kR  [R_0402_1005Metric]  273.88 88.36 180 bottom
R29  5.1kR  [R_0402_1005Metric]  136.25 75.3 0 bottom
R30  5.1kR  [R_0402_1005Metric]  129.93 75.48 180 bottom
R31  5.1kR  [R_0402_1005Metric]  135.75 56.71 90 bottom
R32  5.1kR  [R_0402_1005Metric]  130.75 56.73 90 bottom
R33  5.1kR  [R_0402_1005Metric]  57.97 75.54 180 bottom
R34  5.1kR  [R_0402_1005Metric]  56.05 75.54 0 bottom